# Altium PCB dashcam_cpu_v2.0.PcbDoc (part 2 of 4) (continued)
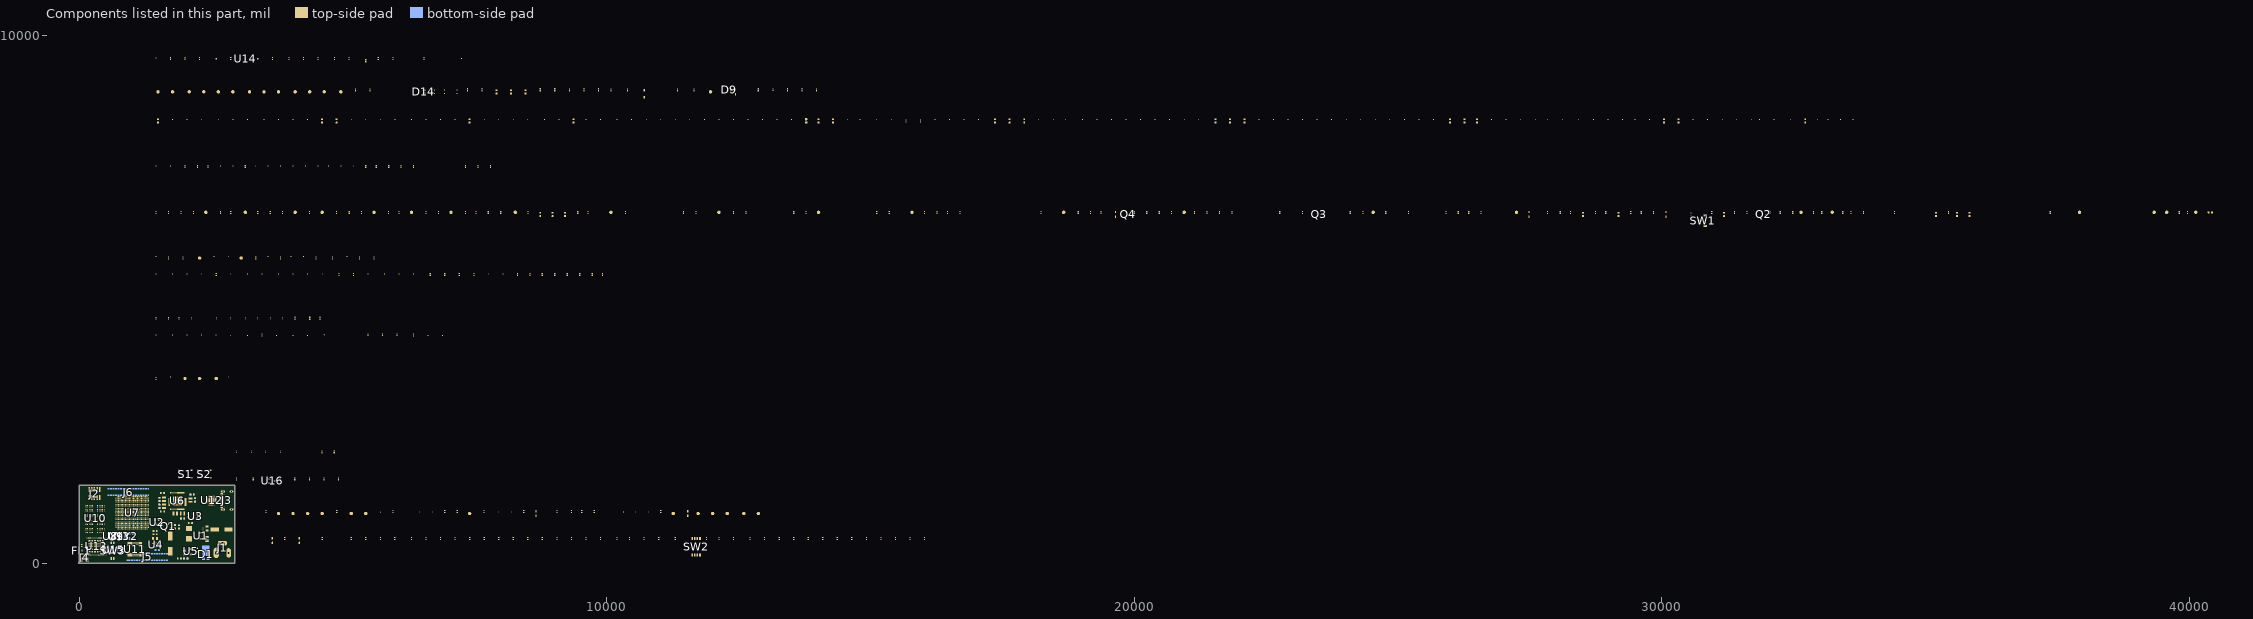
[diagram p2: the components of this part, seen from the top]
## Footprints (in the part's own frame and the unit in brackets; to place one, negate y for a bottom-side part, rotate by r counter-clockwise, add the part's x,y. Pads: shape width x height; smd on the part's side, far side on the other; paste and mask are expansions set on the pad) (continued)
  silkscreen extent -8.71,-8.5 8.5,8.69, body extent -8.5,-8.5 8.5,8.5, height 2.18
IC_PMIC_QFN50P800X800X90-57N-D [mm] "56-QFN-EP (8x8)"
  rrect20% 0.85x0.3 smd: 1(-3.95,3.25) 2(-3.95,2.75) 3(-3.95,2.25) 4(-3.95,1.75) 5(-3.95,1.25) 6(-3.95,0.75) 7(-3.95,0.25) 8(-3.95,-0.25) 9(-3.95,-0.75) 10(-3.95,-1.25) 11(-3.95,-1.75) 12(-3.95,-2.25) 13(-3.95,-2.75) 14(-3.95,-3.25) 29(3.95,-3.25) 30(3.95,-2.75) 31(3.95,-2.25) 32(3.95,-1.75) 33(3.95,-1.25) 34(3.95,-0.75) 35(3.95,-0.25) 36(3.95,0.25) 37(3.95,0.75) 38(3.95,1.25) 39(3.95,1.75) 40(3.95,2.25) 41(3.95,2.75) 42(3.95,3.25)
  rrect20% 0.3x0.85 smd: 15(-3.25,-3.95) 16(-2.75,-3.95) 17(-2.25,-3.95) 18(-1.75,-3.95) 19(-1.25,-3.95) 20(-0.75,-3.95) 21(-0.25,-3.95) 22(0.25,-3.95) 23(0.75,-3.95) 24(1.25,-3.95) 25(1.75,-3.95) 26(2.25,-3.95) 27(2.75,-3.95) 28(3.25,-3.95) 43(3.25,3.95) 44(2.75,3.95) 45(2.25,3.95) 46(1.75,3.95) 47(1.25,3.95) 48(0.75,3.95) 49(0.25,3.95) 50(-0.25,3.95) 51(-0.75,3.95) 52(-1.25,3.95) 53(-1.75,3.95) 54(-2.25,3.95) 55(-2.75,3.95) 56(-3.25,3.95)
  rect 4.2x4.5 smd: 57(0,0)
  silkscreen extent -4.42,-4.22 4.22,4.42, body extent -4.05,-4.05 4.05,4.05, height 0.9
IC_REG_LDO_BGA4C35P2X2_71X71X40 [mm] "4-DSBGA"
  round 0.2 smd: A1(-0.175,0.175) A2(0.175,0.175) B1(-0.175,-0.175) B2(0.175,-0.175)
  silkscreen extent -0.66,-0.53 0.53,0.64, body extent -0.36,-0.36 0.36,0.36, height 0.4
IC_REG_MP2147GDP [mm] "12-QFN (2x3)"
  rrect20% 0.7x0.25 smd: 1(-0.95,0.5) 2(-0.95,0) 3(-0.95,-0.5) 7(0.95,-0.5) 8(0.95,0) 9(0.95,0.5)
  rrect20% 0.25x0.9 smd: 4(-0.5,-1.35) 5(0,-1.35) 6(0.5,-1.35)
  rrect20% 0.25x0.5 smd: 10(0.5,1.55) 11(0,1.55) 12(-0.5,1.55)
  rrect20% 0.4x0.25 smd: 13(0,0)
  rrect20% 1.25x0.4 smd: 14(0,1.1)
  silkscreen extent -1.52,-1.5 1,1.5, body extent -1,-1.5 1,1.5, height 1.1
IC_REG_MP8759GDZ [mm] "12-QFN (2x3)"
  rrect20% 1.5x0.25 smd: 1(-0.55,0.5) 2(-0.55,-0.5) 7(0.55,0)
  rrect20% 0.25x0.7 smd: 3(-0.75,-1.45) 4(-0.25,-1.45) 5(0.25,-1.45) 6(0.75,-1.45) 9(0.75,1.45) 10(0.25,1.45) 11(-0.25,1.45) 12(-0.75,1.45)
  rrect20% 0.7x0.25 smd: 8(0.95,0.5)
  silkscreen extent -1.52,-1 1,1, body extent -1.03,-1.53 1.03,1.53, height 1
IC_REG_SOT95P280X145-5N [mm] "SOT-23-5"
  rrect20% 1.2x0.55 smd: 1(-1.25,0.95) 2(-1.25,0) 3(-1.25,-0.95) 4(1.25,-0.95) 5(1.25,0.95)
  silkscreen extent -1.85,-1.46 0.3,1.48, body extent -1.4,-1.46 1.4,1.46, height 1.45
IC_SUP_VOL_UM805RE [mm] "SOT-143"
  rrect20% 1x1.2 smd: 1(-0.76,-1.02)
  rrect20% 0.6x1.2 smd: 2(0.96,-1.02) 3(0.96,1.02) 4(-0.96,1.02)
  silkscreen extent -1.27,-1.85 0.4,0.65, body extent -1.45,-0.65 1.45,0.65, height 1.32
IC_SUP_VOL_UM805RS [mm] "SOT-23-3"
  rrect20% 1.2x0.6 smd: 1(-1.25,0.95) 2(-1.25,-0.95) 3(1.25,0)
  silkscreen extent -1.85,-1.48 0.3,1.5, body extent -1.4,-1.48 1.4,1.48, height 1.4
IC_USB_UART_QFN50P400X400X80-25N-D [mm] "24-QFN (4x4)"
  rrect20% 0.8x0.3 smd: 1(-2,1.25) 2(-2,0.75) 3(-2,0.25) 4(-2,-0.25) 5(-2,-0.75) 6(-2,-1.25) 13(2,-1.25) 14(2,-0.75) 15(2,-0.25) 16(2,0.25) 17(2,0.75) 18(2,1.25)
  rrect20% 0.3x0.8 smd: 7(-1.25,-2) 8(-0.75,-2) 9(-0.25,-2) 10(0.25,-2) 11(0.75,-2) 12(1.25,-2) 19(1.25,2) 20(0.75,2) 21(0.25,2) 22(-0.25,2) 23(-0.75,2) 24(-1.25,2)
  rect 2.8x2.8 smd: 25(0,0)
  silkscreen extent -2.41,-2.18 2.18,2.41, body extent -2.05,-2.05 2.05,2.05, height 0.8
IC_WIFI_BLE_LBEE5QD1ZM572 [mm]
  rrect20% 0.475x0.5 smd: 1(-4.563,-4.1) 18(4.563,-4.1) 33(4.563,4.1) 50(-4.563,4.1)
  rrect20% 0.25x0.475 smd: 2(-3.75,-4.1) 3(-3.25,-4.1) 4(-2.75,-4.1) 5(-2.25,-4.1) 6(-1.75,-4.1) 7(-1.25,-4.1) 8(-0.75,-4.1) 9(-0.25,-4.1) 10(0.25,-4.1) 11(0.75,-4.1) 12(1.25,-4.1) 13(1.75,-4.1) 14(2.25,-4.1) 15(2.75,-4.1) 16(3.25,-4.1) 17(3.75,-4.1) 34(3.75,4.1) 35(3.25,4.1) 36(2.75,4.1) 37(2.25,4.1) 38(1.75,4.1) 39(1.25,4.1) 40(0.75,4.1) 41(0.25,4.1) 42(-0.25,4.1) 43(-0.75,4.1) 44(-1.25,4.1) 45(-1.75,4.1) 46(-2.25,4.1) 47(-2.75,4.1) 48(-3.25,4.1) 49(-3.75,4.1)
  rrect20% 0.475x0.25 smd: 19(4.563,-3.25) 20(4.563,-2.75) 21(4.563,-2.25) 22(4.563,-1.75) 23(4.563,-1.25) 24(4.563,-0.75) 25(4.563,-0.25) 26(4.563,0.25) 27(4.563,0.75) 28(4.563,1.25) 29(4.563,1.75) 30(4.563,2.25) 31(4.563,2.75) 32(4.563,3.25) 51(-4.563,3.25) 52(-4.563,2.75) 53(-4.563,2.25) 54(-4.563,1.75) 55(-4.563,1.25) 56(-4.563,0.75) 57(-4.563,0.25) 58(-4.563,-0.25) 59(-4.563,-0.75) 60(-4.563,-1.25) 61(-4.563,-1.75) 62(-4.563,-2.25) 63(-4.563,-2.75) 64(-4.563,-3.25)
  rect 0.8x0.8 smd: 65(-3.25,-2.6) 66(-1.95,-2.6) 67(-0.65,-2.6) 68(0.65,-2.6) 69(1.95,-2.6) 70(3.25,-2.6) 71(3.25,-1.3) 72(3.25,0) 73(3.25,1.3) 74(3.25,2.6) 75(1.95,2.6) 76(0.65,2.6) 77(-0.65,2.6) 78(-1.95,2.6) 79(-3.25,2.6) 80(-3.25,1.3) 81(-3.25,0) 82(-3.25,-1.3) 83(-1.95,-1.3) 84(-0.65,-1.3) 85(0.65,-1.3) 86(1.95,-1.3) 87(1.95,0) 88(1.95,1.3) 89(0.65,1.3) 90(-0.65,1.3) 91(-1.95,1.3) 92(-1.95,0) 93(-0.65,0) 94(0.65,0)
  silkscreen extent -5.33,-4.65 -5.33,-3.63, body extent -5.1,-4.65 5.1,4.65, height 1.45
IND_0201_FERRITE_BEAD [mm] "0.024\" L x 0.012\" W (0.60mm x 0.30mm)"
  rrect20% 0.275x0.3 smd: 1(-0.263,0) 2(0.263,0)
  silkscreen extent 0,-0.1 0,0.1, body extent -0.3,-0.15 0.3,0.15, height 0.3
IND_0603_INDC1608X08N [mm] "Chip Inductor, 2-Leads, Body 1.60x0.80mm, IPC Medium Density"
  rrect20% 1x1.1 smd: 1(-0.83,0) 2(0.83,0)
  silkscreen extent -0.05,-0.45 0.05,0.45, body extent -0.8,-0.4 0.8,0.4, height 1.01
IND_0805_INDC2012X10N [mm] "Chip Inductor, 2-Leads, Body 2.00x1.25mm, IPC Medium Density"
  rrect20% 1x1.39 smd: 1(-0.93,0) 2(0.93,0)
  silkscreen extent -0.05,-0.6 0.05,0.6, body extent -1,-0.63 1,0.63, height 1
IND_WE-HCI_7030/7040/705023 [mm] "0.276\" L x 0.272\" W (7.00mm x 6.90mm)"
  rrect20% 2.5x3 smd: 1(-2.45,0) 2(2.45,0)
  silkscreen extent -3.6,-3.55 3.55,3.65, body extent -3.5,-3.45 3.5,3.45, height 4.8
IND_WPN252012H1R0MT [mm] "0.098\" L x 0.079\" W (2.50mm x 2.00mm)"
  rrect20% 0.85x2 smd: 1(-0.825,0) 2(0.825,0)
  silkscreen extent -1.52,-0.89 -1.52,0.89, body extent -1.25,-1 1.25,1, height 1.3
RES_0201_RESC0603X02N [mm] "Chip Resistor, 2-Leads, Body 0.60x0.30mm, IPC Medium Density"
  rrect20% 0.35x0.35 smd: 1(-0.35,0) 2(0.35,0)
  body extent -0.3,-0.15 0.3,0.15, height 0.24
RES_0402_RESC1005X04N [mm] "Chip Resistor, 2-Leads, Body 1.02x0.53mm, IPC Medium Density"
  rrect20% 0.6x0.6 smd: 1(-0.45,0) 2(0.45,0)
  body extent -0.5,-0.25 0.5,0.25, height 0.36
RES_0603_RESC1608X04N [mm] "Chip Resistor, 2-Leads, Body 1.60x0.80mm, IPC Medium Density"
  rrect20% 0.85x0.95 smd: 1(-0.8,0) 2(0.8,0)
  silkscreen extent -0.13,-0.64 0.17,0.64, body extent -0.8,-0.4 0.8,0.4, height 0.46
RF_FILTER_HP_DEA075150HT8036A1 [mm]
  rrect20% 0.25x0.2 smd: 1(-0.225,-0.205) 2(0.225,-0.205) 3(0.225,0.205) 4(-0.225,0.205)
  silkscreen extent -0.38,-0.51 -0.08,-0.51, body extent -0.33,-0.29 0.33,0.29, height 0.4
SOT-323 [mm] "SC-70, SOT-323"
  rrect20% 0.6x0.47 smd: D(0.95,0) G(-0.95,0.65) S(-0.95,-0.65)
  silkscreen extent -1.47,-1.07 0.65,1.07, body extent -1.05,-1.07 1.05,1.07, height 1.1
SW_DIP_2P_2182LPSTR [mm] "0.050\" (1.27mm), Half"
  rrect20% 0.76x1.27 smd: 1(-0.635,-3.81) 2(0.635,-3.81) 3(0.635,3.81) 4(-0.635,3.81)
  silkscreen extent -1.86,-4.67 1.86,2.9, body extent -1.86,-4.27 1.85,4.17, height 2.5
SW_DIP_SOIC127P844X265-8N [mm] "0.050\" (1.27mm), Half"
  rrect20% 1.45x0.75 smd: 1(-3.975,1.905) 2(-3.975,0.635) 3(-3.975,-0.635) 4(-3.975,-1.905) 5(3.975,-1.905) 6(3.975,-0.635) 7(3.975,0.635) 8(3.975,1.905)
  silkscreen extent -4.7,-3.13 2.9,3.13, body extent -4.22,-3.13 4.22,3.13, height 2.6
SW_JS102011JCQN [mm] "2.00mm"
  rrect20% 1x1.6 smd: 1(-2.5,-0.9) 2(0,1.5) 3(2.5,-0.9)
  silkscreen extent -4.25,-1.96 4.25,2.1, body extent -4.25,-1.75 4.25,2.35, height 5.65
SWT_NO_PTS526SK15SMTR2LFS [mm] "TACT 5.2 X 5.2 mm"
  rrect20% 1x0.7 smd: 1(-3,1.85) 2(3,1.85) 3(-3,-1.85) 4(3,-1.85)
  silkscreen extent -3.78,-2.6 2.6,2.6, body extent -3.2,-2.6 3.2,2.6, height 1.55
TP_PAD_0.5MM_SMD_ROUND [mm] "Test Point, round, 0.5mm diameter, smd pad"
  round 0.5 smd paste-1.524: 1(0,0)
  silkscreen extent -0.43,-0.43 0.43,0.43
TP_PAD_0.8MM_SMD_ROUND [mm] "Test Point, round, 0.8mm diameter, smd pad"
  round 0.8 smd paste-1.524: 1(0,0)
  silkscreen extent -0.51,-0.51 0.51,0.51
TP_PAD_1.6MM_SMD_ROUND [mm] "Test Point, round, 1.6mm diameter, smd pad"
  round 1.6 smd paste-1.524: 1(0,0)
  silkscreen extent -1,-1 1,1
TRANS_FET_CH_P_SOT95P237X125-3N [mm]
  rrect20% 1.15x0.6 smd: 1(-1.1,0.95) 2(-1.1,-0.95) 3(1.1,0)
  silkscreen extent -1.68,-1.46 0.18,1.5, body extent -1.25,-1.5 1.25,1.5, height 1.07

## Part data
ANT1: library part ANT_CHIP_2.5GHz_5GHz_A9001978, "Automotive Ultra-small Uwb Or Bl", Manufacturer="Kyocera AVX", Supplier Part Number 1=478-A9001978CT-ND, Category=Uncategorized, Manufacturer Part Number=A9001978, Pricing 1="1=1.53, 10=1.367, 25=1.2976, 100=1.066, 250=0.99652, 500=0.88064, 1000=0.69525, 2500=0.6489 (USD)", RoHS=No, Stock 1=3990, Supplier 1=Digikey
C1: library part CAP_0.22UF_50V_X5R_0402, "Multilayer Ceramic Capacitor, 0.22 uF, 50 VDC, ± 10%, X5R, 0402 [1005 Metric]", Capacitance=220nF, Case/Package=0402, Dielectric=1537DielectricType, Manufacturer=Murata, Max Operating Temperature=85°C, Min Operating Temperature=-55°C, Supplier Part Number 1=490-GRM155R61H224KE01WCT-ND, Voltage Rating=50V, Category="Ceramic Capacitors", Height=550um, Length=1mm, Manufacturer Part Number=GRM155R61H224KE01W, Material=4241ConductorMaterial, Pricing 1="1=0.1, 10=0.048, 50=0.0272, 100=0.0212, 500=0.01592, 1000=0.01251, 2500=0.01138, 5000=0.01046 (USD)", RoHS=No, Stock 1=74638, Supplier 1=Digi-Key, Thickness=500um, Voltage Rating (DC)=50V, Width=500um
C2: library part CAP_100UF_50V_POL, "Radial Can - SMD ALUMINUM ELECTROLYTIC CAPACITOR UUD 50V 100muF ±20% 0.315Dia 8.00mm", Capacitance=100uF, Case/Package=Radial, Dielectric Material=Aluminium, Leakage Current=3uA, Manufacturer=Nichicon, Max Operating Temperature=105°C, Min Operating Temperature=-55°C, Package Quantity=500, Ripple Current=300mA, Supplier Part Number 1=647-UUD1H101MNL, Tolerance=20%, Voltage=50V, Category="Aluminum Electrolytic Capacitors", ComponentLink1Description=https://datasheet.ciiva.com/11781/0900766b80fa39e7-11781901.pdf?src-supplier=Rs, ComponentLink1URL=https://datasheet.ciiva.com/11781/0900766b80fa39e7-11781901.pdf?src-supplier=Rs, ComponentLink2Description=https://datasheet.ciiva.com/28458/e-ud-28458117.pdf?src-supplier=Element14, ComponentLink2URL=https://datasheet.ciiva.com/28458/e-ud-28458117.pdf?src-supplier=Element14, ComponentLink3Description=https://datasheet.ciiva.com/28458/1910936-28458133.pdf?src-supplier=Element14, ComponentLink3URL=https://datasheet.ciiva.com/28458/1910936-28458133.pdf?src-supplier=Element14, ComponentLink4Description=https://datasheet.ciiva.com/7781/66055-7781450.pdf?src-supplier=Element14, ComponentLink4URL=https://datasheet.ciiva.com/7781/66055-7781450.pdf?src-supplier=Element14, ComponentLink5Description=https://datasheet.ciiva.com/5362/e-ud-5362134.pdf?src-supplier=Mouser, ComponentLink5URL=https://datasheet.ciiva.com/5362/e-ud-5362134.pdf?src-supplier=Mouser, Construction=Cylindrical, Diameter=8mm, Dissipation Factor=0.14%, Height=10mm, Height - Seated (Max)=0.394inch, Impedance=340mR, Lead Diameter=1.1mm, Lead Free="Lead Free", Lead Pitch=3.1mm, Length=10mm, Life (Hours)=5000Hour, Manufacturer Part Number=UUD1H101MNL1GS, Number of Pins=2, Packaging="Tape and Reel", Polarity=5066Direction, Pricing 1="1=0.53, 10=0.313, 50=0.313, 100=0.202, 500=0.202, 1000=0.171, 2500=0.151, 10000=0.138, 25000=0.136, 50000=0.131 (USD)", Radiation Hardening=No, Reach SVHC Compliant=No, Ripple Current (AC)=300mA, RoHS=Yes, RoHS Compliant=Yes, Series=UD, Stock 1=2204, Supplier 1=Mouser, Termination=SMD/SMT, Voltage Rating=50V, Voltage Rating (AC)=50V, Voltage Rating (DC)=50V
C3 C4 C5: library part CAP_22uF_35V_X5R_0805, "Commercial Grade, 0805, X5R, 35V, 22", Capacitance=22uF, Case package=0805, Manufacturer=TDK, Supplier Part Number 1=445-C2012X5R1V226M125DCCT-ND, Voltage rated=35V, Category="Ceramic Capacitors", Manufacturer Part Number=C2012X5R1V226M125DC, Pricing 1="1=0.97, 10=0.595, 50=0.4452, 100=0.3986, 500=0.31924, 1000=0.29446, 2500=0.26812, 5000=0.25213 (USD)", RoHS=No, Stock 1=17855, Supplier 1=Digikey
C6 C8 C16 C17 C20 C23 C24 C27 C30 C33 C213 C215 C216 C261 C263 C268 C269 C282 C283 C284: library part CAP_100NF_50V_X7R_0402, "Multilayer Ceramic Capacitor, 0.1 uF, 16 V, ± 10%, X7R, 0402 [1005 Metric]", Capacitance=100nF, Case Code (Imperial)=0402, Case Code (Metric)=1005, Dielectric=X7R, Dielectric Material=Ceramic, Manufacturer=Murata, Max Operating Temperature=125°C, Min Operating Temperature=-55°C, Package Quantity=10000, Supplier Part Number 1=490-10700-6-ND, Temperature Coefficient=30ppm/°C, Tolerance=10%, Voltage=50V, Case/Package=0402, Category="Ceramic Capacitors", ComponentLink1Description=http://www.farnell.com/datasheets/2079156.pdf?src-supplier=Farnell, ComponentLink1URL=http://www.farnell.com/datasheets/2079156.pdf?src-supplier=Farnell, ComponentLink2Description=http://www.mouser.com/ds/2/281/c02e-2905.pdf?src-supplier=Mouser, ComponentLink2URL=http://www.mouser.com/ds/2/281/c02e-2905.pdf?src-supplier=Mouser, ComponentLink3Description=http://www.farnell.com/datasheets/2079156.pdf?src-supplier=Newark, ComponentLink3URL=http://www.farnell.com/datasheets/2079156.pdf?src-supplier=Newark, ComponentLink4Description=https://datasheet.octopart.com/GRM155R71H104KE14D-Murata-datasheet-22122223.pdf?src-supplier=Future+Electronics, ComponentLink4URL=https://datasheet.octopart.com/GRM155R71H104KE14D-Murata-datasheet-22122223.pdf?src-supplier=Future+Electronics, ComponentLink5Description=https://search.murata.co.jp/Ceramy/image/img/A01X/G101/ENG/GRM155R71H104KE14-01.pdf?src-supplier=Digi-Key, ComponentLink5URL=https://search.murata.co.jp/Ceramy/image/img/A01X/G101/ENG/GRM155R71H104KE14-01.pdf?src-supplier=Digi-Key, ComponentLink6Description=http://psearch.en.murata.com/capacitor/product/GRM155R71H104KE14%23.pdf?src-supplier=Avnet, ComponentLink6URL=http://psearch.en.murata.com/capacitor/product/GRM155R71H104KE14%23.pdf?src-supplier=Avnet, ComponentLink7Description=https://datasheet.octopart.com/GRM155R71H104KE14D-Murata-datasheet-66077078.pdf?src-supplier=Element14, ComponentLink7URL=https://datasheet.octopart.com/GRM155R71H104KE14D-Murata-datasheet-66077078.pdf?src-supplier=Element14, ComponentLink8Description=http://www.mouser.com/ds/2/447/UPY-GPHC_X5R_4V-to-50V_25-1131599.pdf?src-supplier=Mouser, ComponentLink8URL=http://www.mouser.com/ds/2/447/UPY-GPHC_X5R_4V-to-50V_25-1131599.pdf?src-supplier=Mouser, ComponentLink9Description=https://datasheet.octopart.com/CC0402KRX5R8BB104-Yageo-datasheet-137700082.pdf?src-supplier=Future+Electronics, ComponentLink9URL=https://datasheet.octopart.com/CC0402KRX5R8BB104-Yageo-datasheet-137700082.pdf?src-supplier=Future+Electronics, ComponentLink10Description=http://www.yageo.com/documents/recent/UPY-GPHC_X5R_4V-to-50V_25.pdf?src-supplier=Digikey, ComponentLink10URL=http://www.yageo.com/documents/recent/UPY-GPHC_X5R_4V-to-50V_25.pdf?src-supplier=Digikey, ComponentLink11Description=https://datasheet.octopart.com/CC0402KRX5R8BB104-Yageo-datasheet-140260304.pdf?src-supplier=Newark, ComponentLink11URL=https://datasheet.octopart.com/CC0402KRX5R8BB104-Yageo-datasheet-140260304.pdf?src-supplier=Newark, ComponentLink12Description=https://datasheet.octopart.com/CC0402KRX5R8BB104-Yageo-datasheet-170350636.pdf?src-supplier=Future+Electronics, ComponentLink12URL=https://datasheet.octopart.com/CC0402KRX5R8BB104-Yageo-datasheet-170350636.pdf?src-supplier=Future+Electronics, ComponentLink13Description=http://www.yageo.com/documents/recent/UPY-GPHC_X5R_4V-to-50V-16.pdf?src-supplier=Future+Electronics, ComponentLink13URL=http://www.yageo.com/documents/recent/UPY-GPHC_X5R_4V-to-50V-16.pdf?src-supplier=Future+Electronics, Construction=Flat, Depth=0.5mm, Dissipation Factor=0.025%, Halogen Free=5694HalogenFree, Height=0.5mm, Lead Free=5697LeadFree, Length=1mm, Manufacturer Part Number=GRM155R71H104KE14D, Material=Ceramic, Mount="Surface Mount", Number of Pins=2NUMBER, Packaging="Tape and Reel", Pricing 1="1=0.1, 10=0.023, 50=0.0132, 100=0.0102, 500=0.00768, 1000=0.00603, 2500=0.00548, 5000=0.00504 (USD)", Pricing 2="1=0.1, 10=0.037, 50=0.021, 100=0.0162, 500=0.01224, 1000=0.00961, 2500=0.00874, 5000=0.00804 (USD)", Reach SVHC Compliant=No, RoHS=Yes, RoHS Compliant=Yes, Series=GRM, Stock 1=13730790, Stock 2=3706055, Supplier 1=DigiKey, Supplier 2=Digikey, Supplier Part Number 2=311-1697-1-ND, Termination=SMD/SMT, Thickness=0.022inch, Voltage Rating=50V, Voltage Rating (DC)=50V, Weight=0.000212oz, Width=0.5mm
C7: library part CAP_220uF_EEV227M025A9MAA, "Cap Aluminum Lytic 220uF 25V 20% (8 X 10.2mm) SMD 600mA 2000h 105C T/R", Capacitance=220uF, Case/Package=Radial, ESR (Equivalent Series Resistance)=160mR, Manufacturer=KEMET, Max Operating Temperature=105°C, Min Operating Temperature=-55°C, Supplier Part Number 1=399-18140-1-ND, Tolerance=20%, Voltage Rating=25V, Category=Capacitors, ComponentLink1Description=https://datasheet.octopart.com/EEV227M025A9MAA-KEMET-datasheet-130072785.pdf?src-supplier=Farnell, ComponentLink1URL=https://datasheet.octopart.com/EEV227M025A9MAA-KEMET-datasheet-130072785.pdf?src-supplier=Farnell, Impedance=160mR, Manufacturer Part Number=EEV227M025A9MAA, Mount="Surface Mount", Packaging="Cut Tape", Pricing 1="1=0.58, 10=0.39, 50=0.3102, 100=0.2562 (USD)", RoHS=Yes, RoHS Compliant=Yes, Series=EEV, Stock 1=20821, Supplier 1=Digikey
C9 C10 C11 C12 C28 C29 C34 C35 C36 C40 C41 C42 C43 C49 C50 C51 C53 C54 C55 C57 C58 C59 C60 C64 C65 C66 C95 C105 C110 C115 C116 C117 C135 C136 C137 C147 C148 C149 C159 C160 C175 C185 C192 C193 C202: library part CAP_22UF_10V_X5R_0603, "Multilayer Ceramic Capacitor, 22 uF, 10 V, ± 20%, X5R, 0603 [1608 Metric]", Capacitance=22uF, Case Code (Imperial)=0603, Case Code (Metric)=1608, Dielectric=X5R, Dielectric Material=Ceramic, Manufacturer=TDK, Max Operating Temperature=85°C, Min Operating Temperature=-55°C, Package Quantity=4000, Supplier Part Number 1=445-9077-1-ND, Tolerance=20%, Voltage Rating=10V, Case/Package=0603, Category="Ceramic Capacitors", ComponentLink1Description=https://datasheet.ciiva.com/6274/tdkmlcccaprange-6274860.pdf?src-supplier=Digi-Key, ComponentLink1URL=https://datasheet.ciiva.com/6274/tdkmlcccaprange-6274860.pdf?src-supplier=Digi-Key, ComponentLink2Description=https://datasheet.ciiva.com/6274/tdkmlcccaprange-6274859.pdf?src-supplier=Digi-Key, ComponentLink2URL=https://datasheet.ciiva.com/6274/tdkmlcccaprange-6274859.pdf?src-supplier=Digi-Key, ComponentLink3Description=https://datasheet.ciiva.com/6274/tdkmlcccaprange-6274861.pdf?src-supplier=Digi-Key, ComponentLink3URL=https://datasheet.ciiva.com/6274/tdkmlcccaprange-6274861.pdf?src-supplier=Digi-Key, ComponentLink4Description=https://datasheet.ciiva.com/24216/mlcc-commercial-general-en-24216575.pdf?src-supplier=Mouser, ComponentLink4URL=https://datasheet.ciiva.com/24216/mlcc-commercial-general-en-24216575.pdf?src-supplier=Mouser, Height=0.8mm, Lead Free="Lead Free", Length=1.6mm, Manufacturer Part Number=C1608X5R1A226M080AC, Mount="Surface Mount", Packaging="Tape and Reel", Pricing 1="1=0.32, 10=0.208, 50=0.1534, 100=0.1248, 500=0.09856, 1000=0.08323 (USD)", Reach SVHC Compliant=No, RoHS=Yes, RoHS Compliant=Yes, Series=C, Stock 1=1971709, Supplier 1=Digi-Key, Termination=SMD/SMT, Voltage Rating (DC)=10V, Weight=7.1E-05oz, Width=0.8mm
C13 C18 C19 C22: library part CAP_1uF_25V_X7R_0603, "Multilayer Ceramic Capacitor, 1 uF, 25 V, ± 10%, X7R, 0603 [1608 Metric]", Capacitance=1uF, Case Code (Imperial)=0603, Case Code (Metric)=1608, Dielectric=X7R, Manufacturer=Murata, Max Operating Temperature=125°C, Min Operating Temperature=-55°C, Package Quantity=4000, Ratings=AEC-Q200, Supplier Part Number 1=81-GCM188R71E105KA4D, Tolerance=10%, Voltage=25V, Case/Package=0603, Category="Ceramic Capacitors", ComponentLink1Description=https://datasheet.ciiva.com/11616/product-11616499.pdf?src-supplier=Avnet, ComponentLink1URL=https://datasheet.ciiva.com/11616/product-11616499.pdf?src-supplier=Avnet, Construction=Flat, Depth=0.8mm, Height=0.8mm, Lead Free="Lead Free", Length=1.6mm, Manufacturer Part Number=GCM188R71E105KA64D, Material=4241ConductorMaterial, Mount="Surface Mount", Packaging="Tape and Reel", Pricing 1="1=0.22, 10=0.089, 50=0.089, 100=0.052, 1000=0.046, 10000=0.035 (USD)", Radiation Hardening=No, Reach SVHC Compliant=No, RoHS=Yes, RoHS Compliant=Yes, Series=GCM, Stock 1=413087, Supplier 1=Mouser, Termination=SMD/SMT, Thickness=0.035inch, Voltage Rating=25V, Voltage Rating (DC)=25V, Weight=0.000222oz, Width=0.031inch
C14: library part CAP_2.2nF_50V_NP0_0402, "Multilayer Ceramic Capacitor, 2200 pF, 50 V, ï¿½ 5%, C0G (NP0), 0603 [1608 Metric]", Capacitance=2.2nF, Case Code (Imperial)=0603, Case Code (Metric)=1608, Dielectric=C0G, Dielectric Material=Ceramic, Insulation Resistance=10GR, Manufacturer=Murata, Max Operating Temperature=125°C, Min Operating Temperature=-55°C, Package Quantity=1, Supplier Part Number 1=490-1459-1-ND, Temperature Coefficient=30ppm/°C, Tolerance=5%, Voltage=50V, Case/Package=0603, Category="Ceramic Capacitors", ComponentLink1Description=https://datasheet.ciiva.com/3777/1632grm1885c1h222ja0123-3777835.pdf?src-supplier=Arrow+Electronics, ComponentLink1URL=https://datasheet.ciiva.com/3777/1632grm1885c1h222ja0123-3777835.pdf?src-supplier=Arrow+Electronics, ComponentLink2Description=https://datasheet.ciiva.com/11786/0900766b807a1cab-11786840.pdf?src-supplier=Rs, ComponentLink2URL=https://datasheet.ciiva.com/11786/0900766b807a1cab-11786840.pdf?src-supplier=Rs, ComponentLink3Description=https://datasheet.ciiva.com/133/partnumbering-e-01-133576.pdf?src-supplier=Digikey, ComponentLink3URL=https://datasheet.ciiva.com/133/partnumbering-e-01-133576.pdf?src-supplier=Digikey, ComponentLink4Description=https://datasheet.ciiva.com/133/partnumbering-e-01-133577.pdf?src-supplier=Digikey, ComponentLink4URL=https://datasheet.ciiva.com/133/partnumbering-e-01-133577.pdf?src-supplier=Digikey, ComponentLink5Description=https://datasheet.ciiva.com/133/partnumbering-e-01-133578.pdf?src-supplier=Digikey, ComponentLink5URL=https://datasheet.ciiva.com/133/partnumbering-e-01-133578.pdf?src-supplier=Digikey, ComponentLink6Description=https://datasheet.ciiva.com/11463/product-11463974.pdf?src-supplier=Avnet, ComponentLink6URL=https://datasheet.ciiva.com/11463/product-11463974.pdf?src-supplier=Avnet, ComponentLink7Description=https://datasheet.ciiva.com/2989/product-2989459.pdf?src-supplier=Avnet, ComponentLink7URL=https://datasheet.ciiva.com/2989/product-2989459.pdf?src-supplier=Avnet, ComponentLink8Description=https://datasheet.ciiva.com/6031/4360-6031797.pdf?src-supplier=Farnell, ComponentLink8URL=https://datasheet.ciiva.com/6031/4360-6031797.pdf?src-supplier=Farnell, ComponentLink9Description=https://datasheet.ciiva.com/7828/4360-7828918.pdf?src-supplier=Element14, ComponentLink9URL=https://datasheet.ciiva.com/7828/4360-7828918.pdf?src-supplier=Element14, ComponentLink10Description=https://datasheet.ciiva.com/7828/1747455-7828919.pdf?src-supplier=Element14, ComponentLink10URL=https://datasheet.ciiva.com/7828/1747455-7828919.pdf?src-supplier=Element14, ComponentLink11Description=https://datasheet.ciiva.com/7828/1747455-7828920.pdf?src-supplier=Element14, ComponentLink11URL=https://datasheet.ciiva.com/7828/1747455-7828920.pdf?src-supplier=Element14, Construction=Flat, Depth=0.8mm, Height=0.8mm, Lead Free="Lead Free", Length=1.6mm, Manufacturer Part Number=GRM1885C1H222JA01D, Material=Ceramic, Mount="Surface Mount", Number of Pins=2, Packaging="Tape and Reel", Pricing 1="1=0.1, 10=0.045, 50=0.0306, 100=0.0262, 500=0.01882, 1000=0.01654 (USD)", Reach SVHC Compliant=No, RoHS=Yes, RoHS Compliant=Yes, Series=GRM, Stock 1=228613, Supplier 1=Digikey, Termination=SMD/SMT, Thickness=0.035inch, Voltage Rating=50V, Voltage Rating (DC)=50V, Width=0.031inch
C15: library part CAP_300pF_50V_NP0_0402, "Cap Ceramic 300pF 50V C0G 5% SMD 0402 125°C Paper T/R", Capacitance=300pF, Case Code (Imperial)=0402, Case Code (Metric)=1005, Dielectric=C0G, Manufacturer=Murata, Max Operating Temperature=125°C, Min Operating Temperature=-25°C, Package Quantity=10000, Ratings=AEC-Q200, Supplier Part Number 1=490-GCM1555C1H301JA16DCT-ND, Temperature Coefficient=30ppm/°C, Tolerance=5%, Voltage Rating=50V, Case/Package=0402, Category="Ceramic Capacitors", ComponentLink1Description=https://datasheet.ciiva.com/11604/product-11604896.pdf?src-supplier=Avnet, ComponentLink1URL=https://datasheet.ciiva.com/11604/product-11604896.pdf?src-supplier=Avnet, ComponentLink2Description=https://datasheet.ciiva.com/164/s0717e-164794.pdf?src-supplier=Digikey, ComponentLink2URL=https://datasheet.ciiva.com/164/s0717e-164794.pdf?src-supplier=Digikey, Construction=Flat, Depth=0.5mm, Height=0.5mm, Length=1mm, Manufacturer Part Number=GCM1555C1H301JA16D, Material=Ceramic, Mount="Surface Mount", Packaging="Tape and Reel", Pricing 1="1=0.1, 10=0.049, 50=0.0334, 100=0.0287, 500=0.02068, 1000=0.0182, 2500=0.01557, 5000=0.01398 (USD)", Radiation Hardening=No, RoHS=Yes, RoHS Compliant=Yes, Series=GCM, Stock 1=94255, Supplier 1=Digikey, Termination=SMD/SMT, Voltage Rating (DC)=50V, Width=0.5mm